# Altium PCB PCB_control_unit_2.PcbDoc (part 1 of 2)
Units mm, origin at the board's own origin, x right, y up, seen from the top; angles counter-clockwise.
Board outline 61.5 x 45 mm, 4 copper layers (Top Layer, INT1, INT2, Bottom Layer), stack 1.422 mm thick; 111 components, 75 nets, 374 pads, 137 vias.
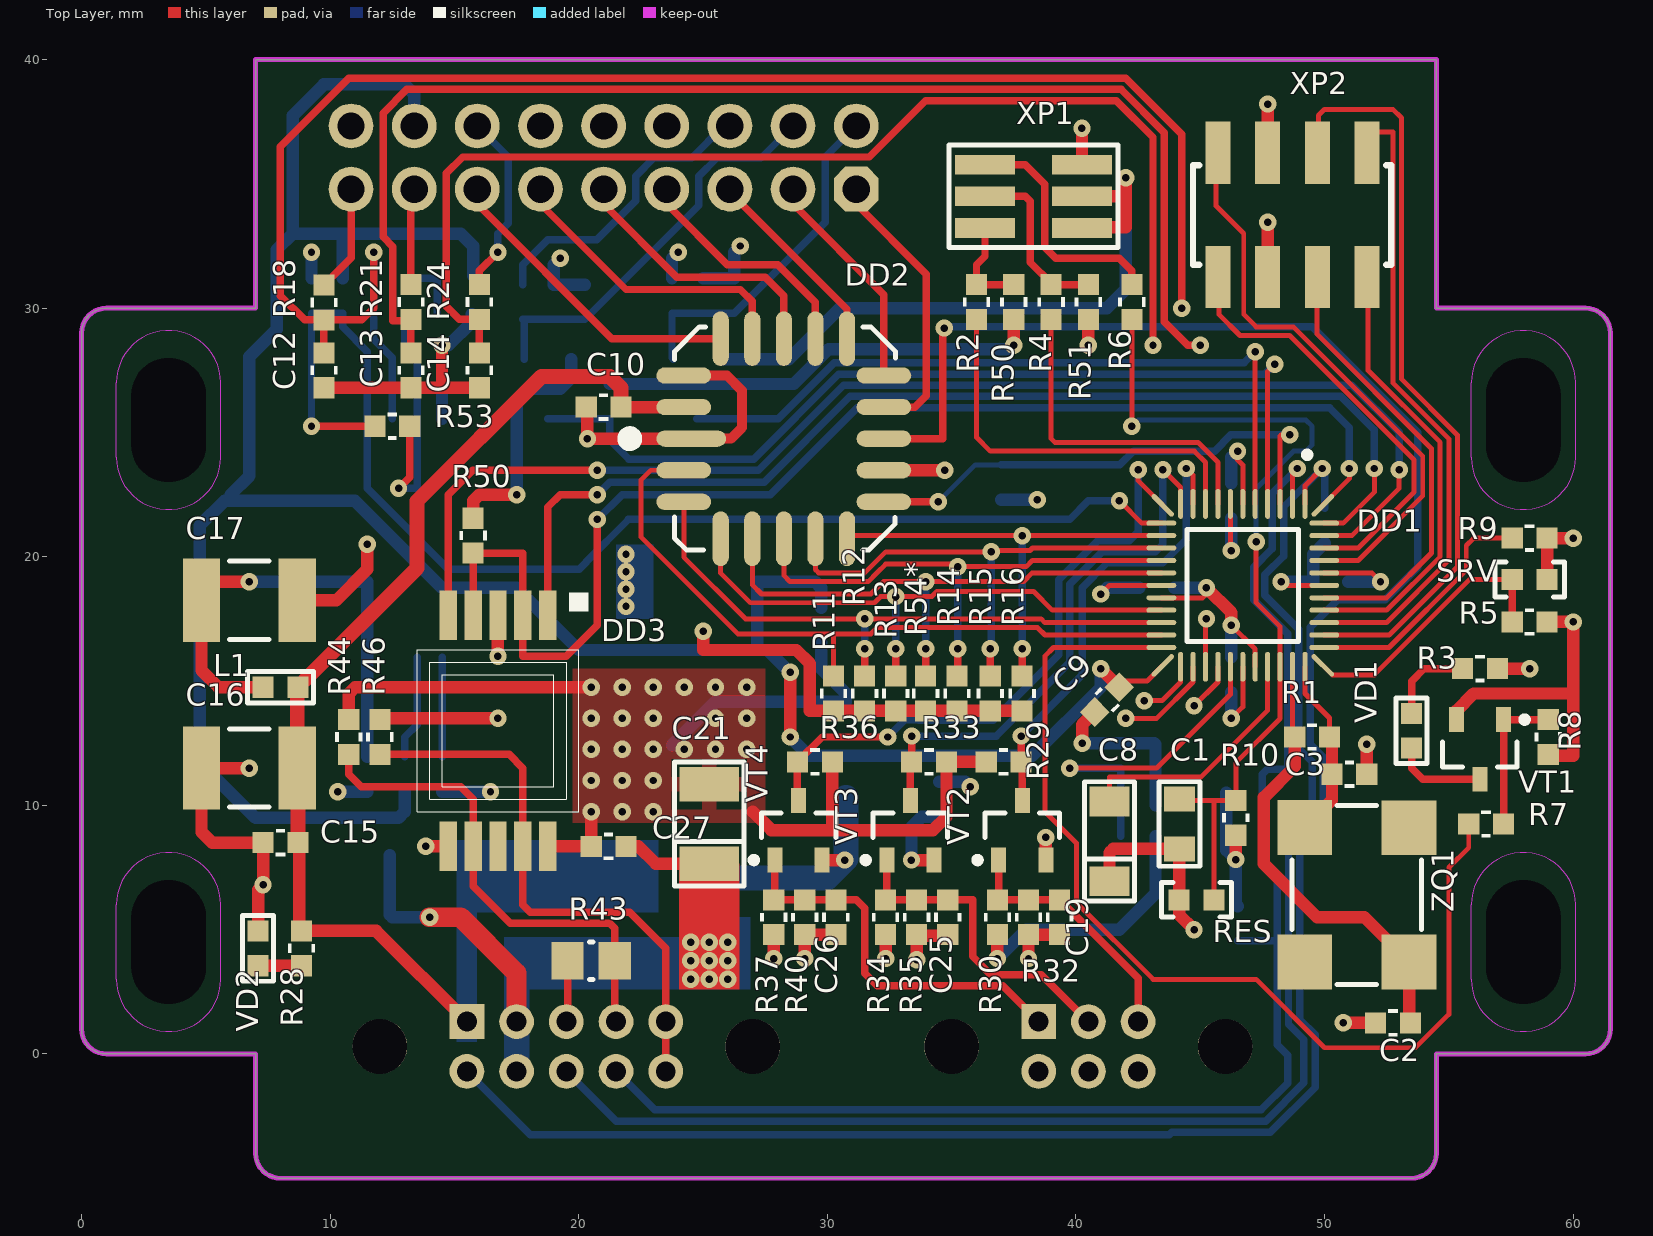
[diagram p0: Top Layer view]
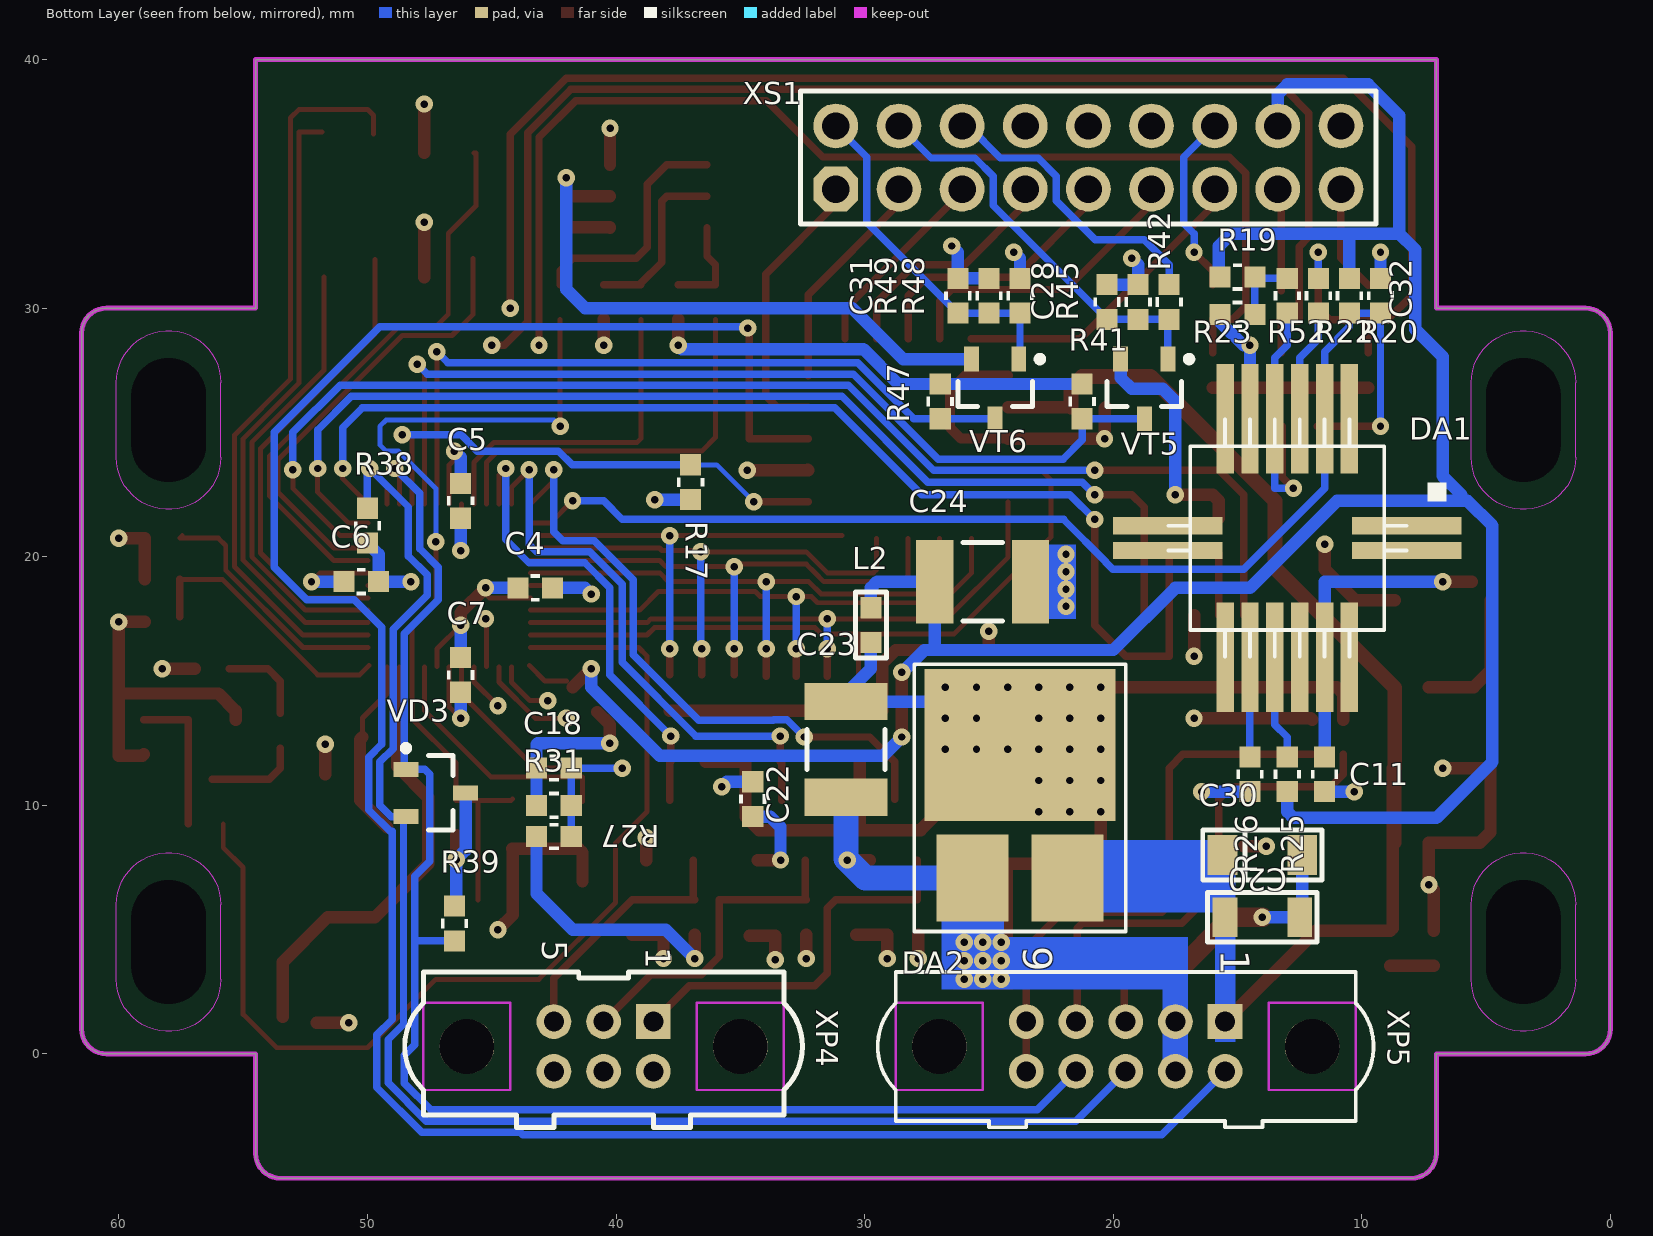
[diagram p1: Bottom Layer view, seen from below]
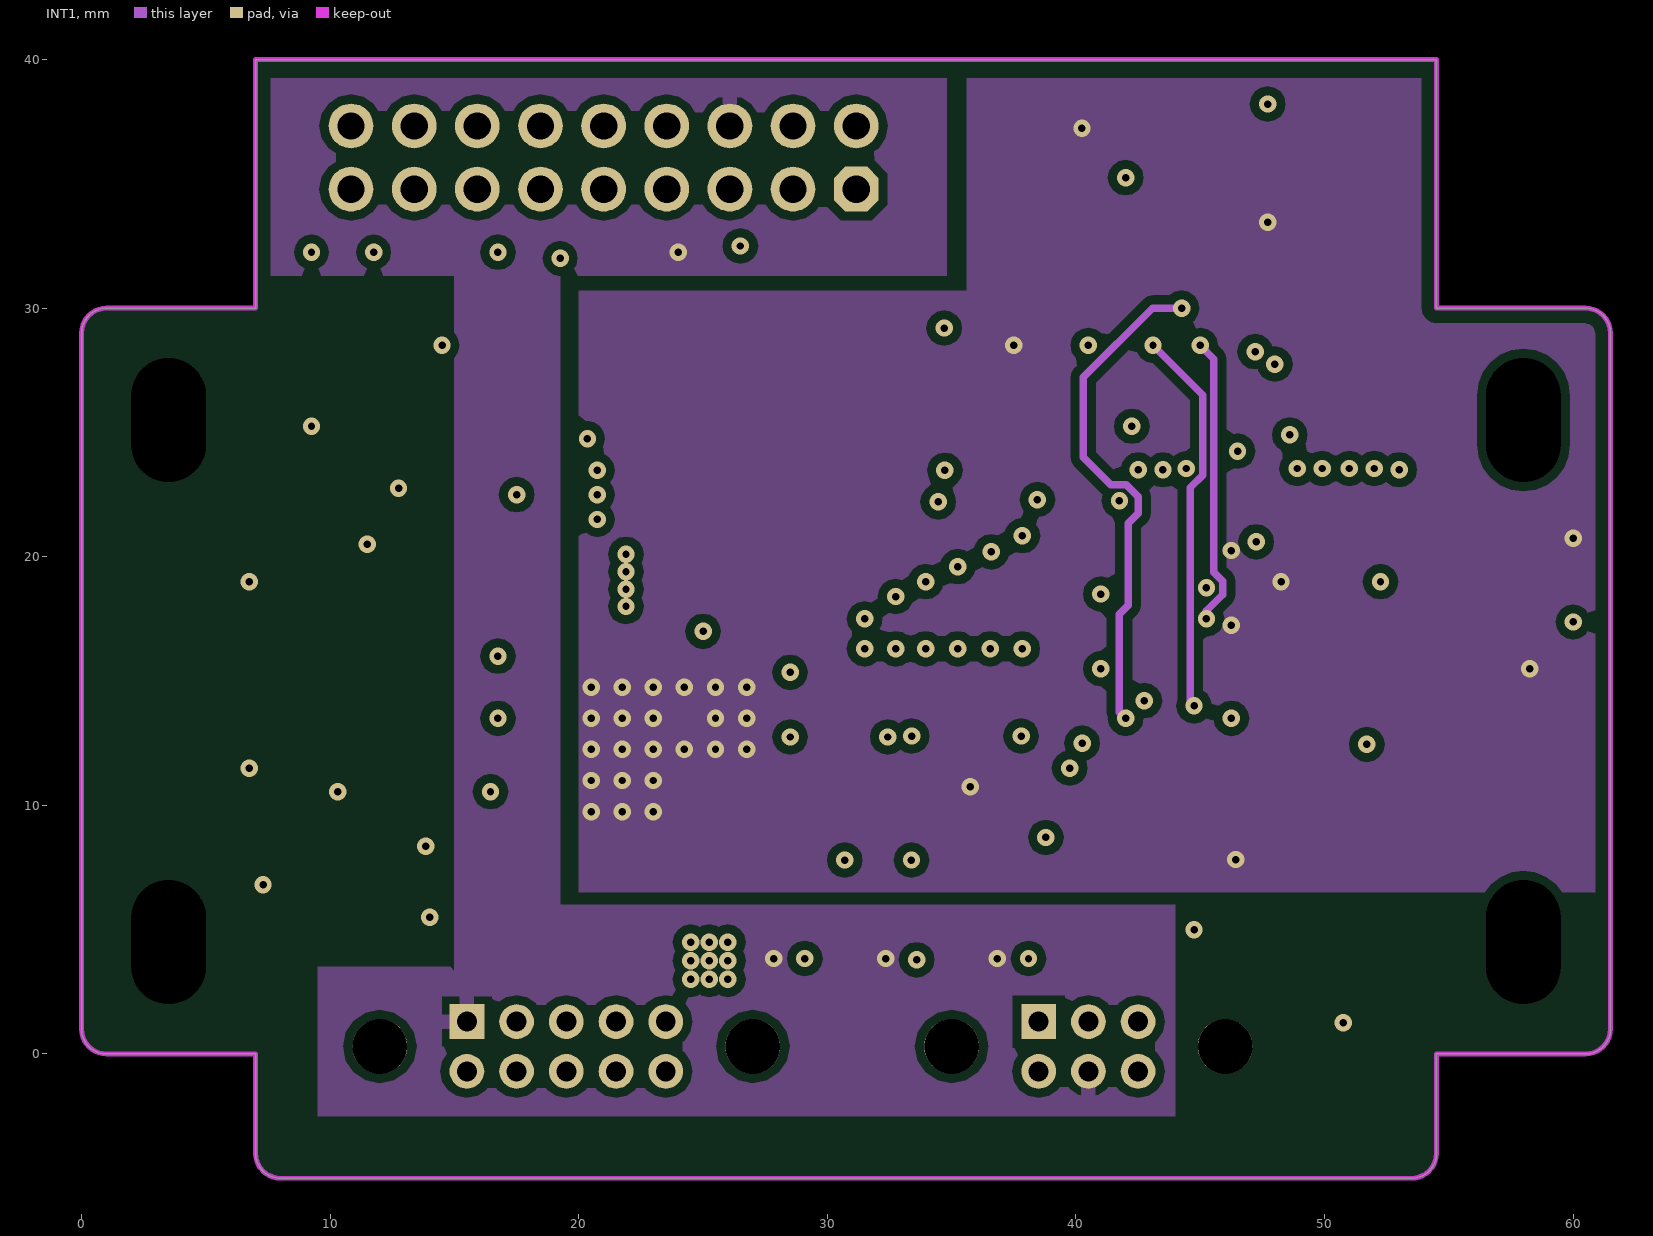
[diagram p2: INT1]
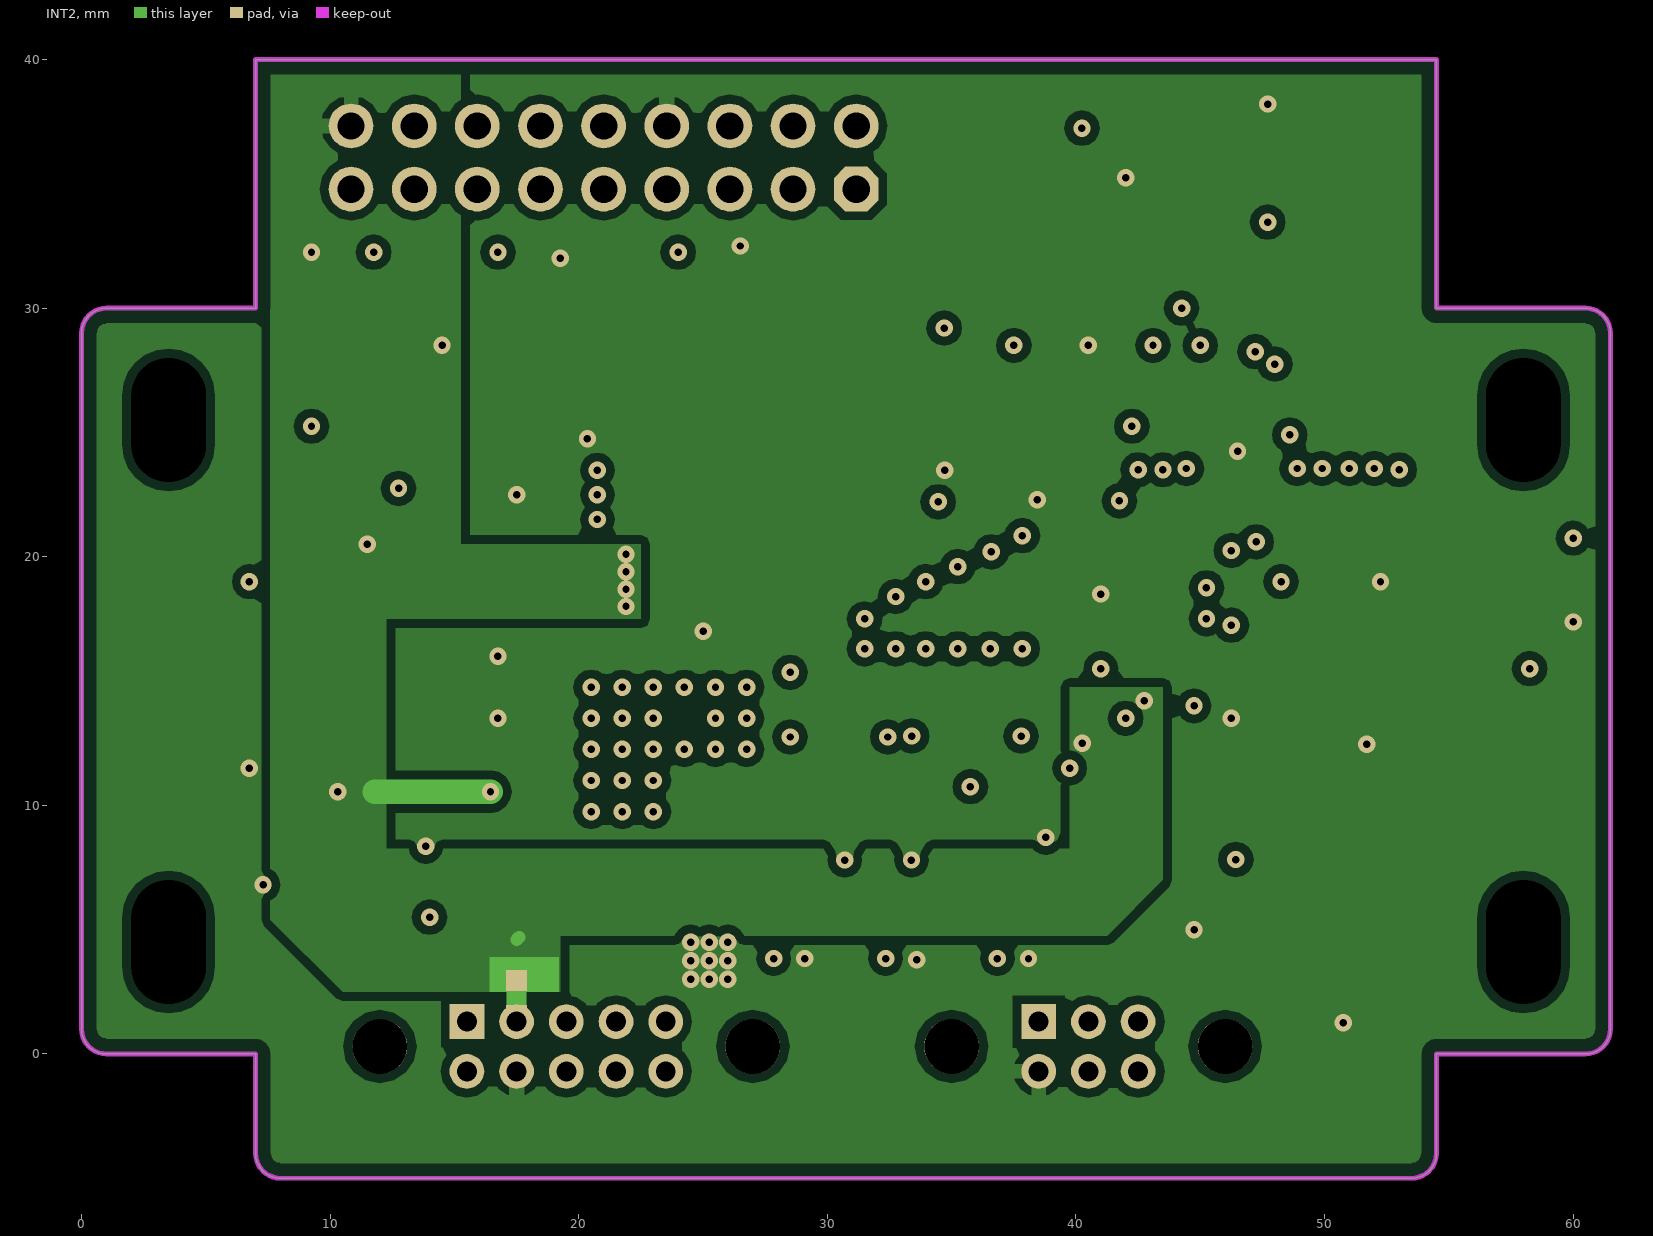
[diagram p3: INT2]
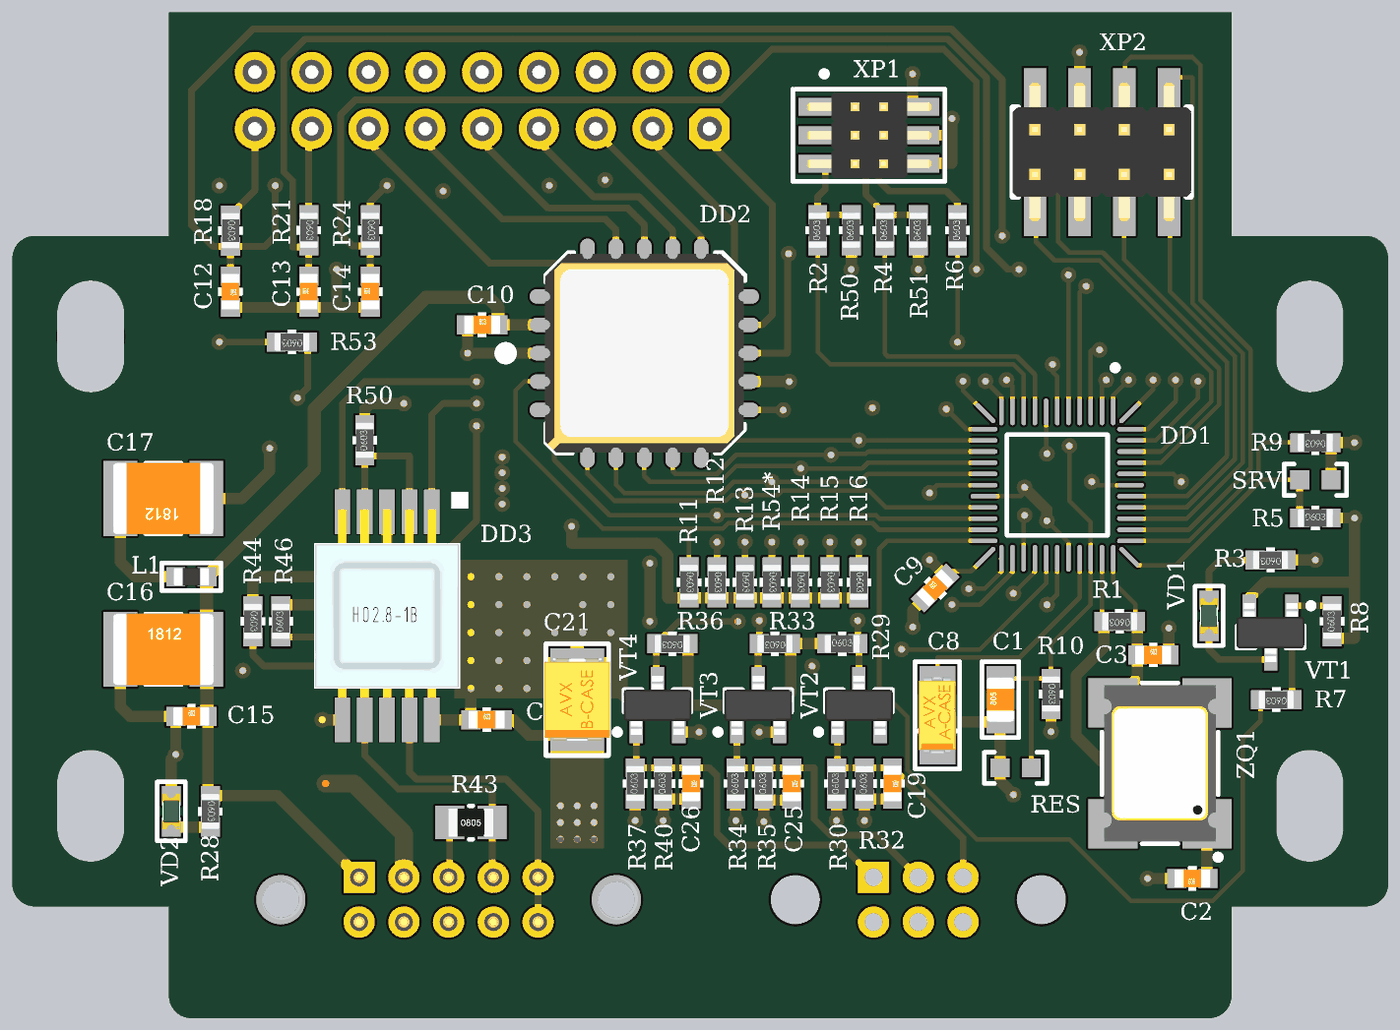
[diagram p5: 3D render of the assembled board from above, using the file's embedded part models]
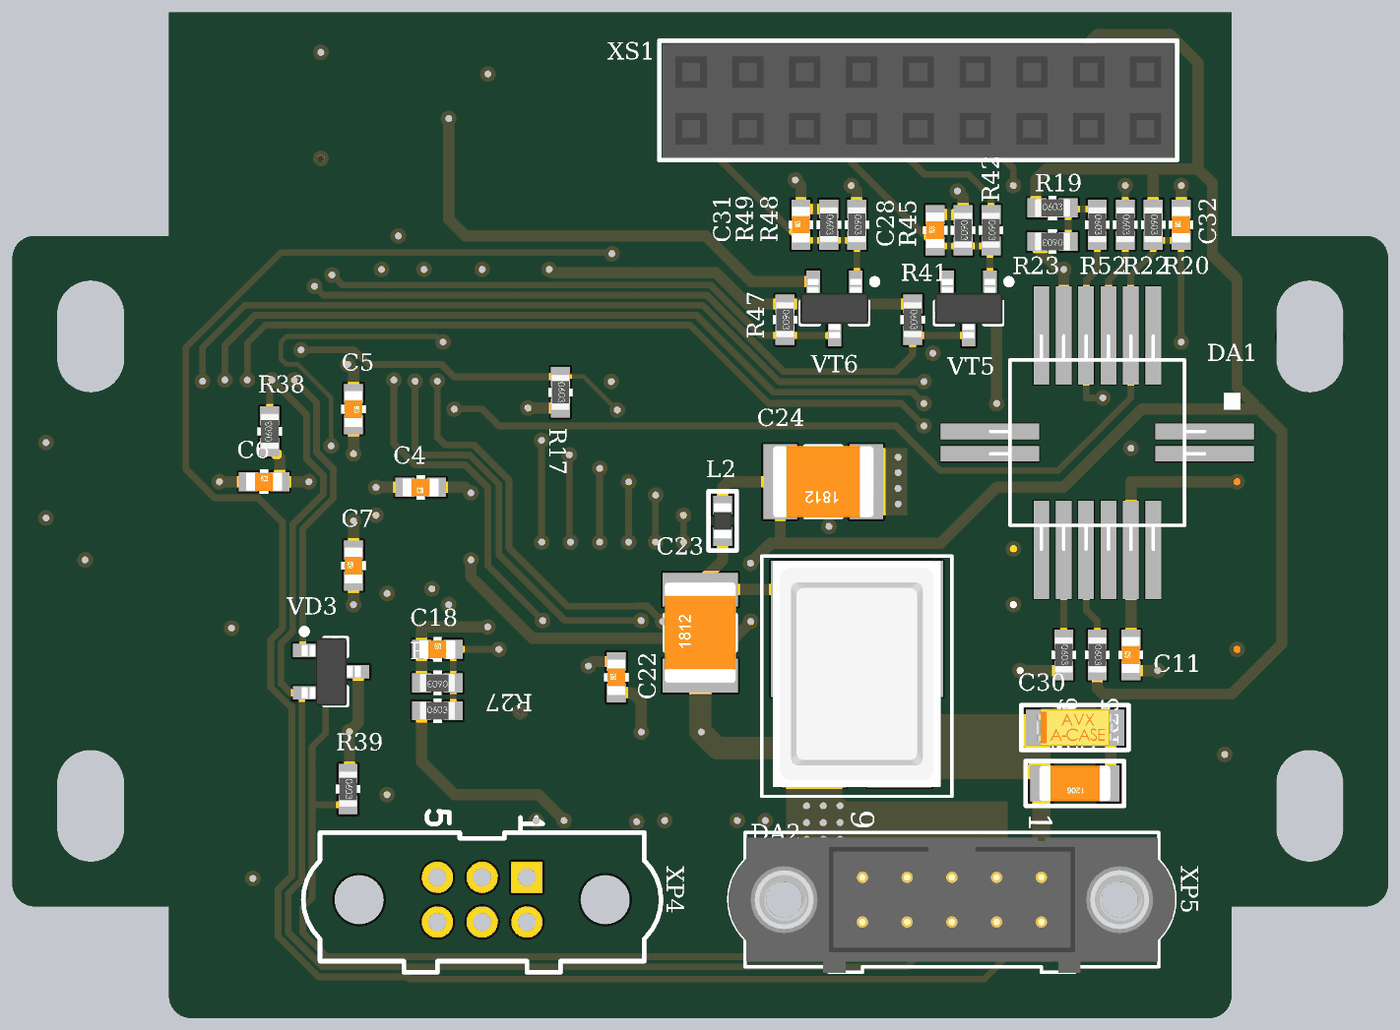
[diagram p6: 3D render of the assembled board from below, using the file's embedded part models]

## Layer stack, top to bottom
Top Solder: solder mask 0.0102, Solder Resist, Dk 3.5
Top Layer: signal copper 0.018
PREPREG1: prepreg 0.32, 2116+7628, Dk 4.2
INT1: signal copper 0.018
CORE1: core 0.71, FR-4, Dk 4.2
INT2: signal copper 0.018
PREPREG2: prepreg 0.32, 2116+7628, Dk 4.2
Bottom Layer: signal copper 0.018
Bottom Solder: solder mask 0.0102, Solder Resist, Dk 3.5

## Board outline
7,-4 7,0 1,0 cw(c1,1) 0,1 0,29 cw(c1,29) 1,30 7,30 7,40 54.5,40 54.5,30 60.5,30 cw(c60.5,29) 61.5,29 61.5,1 cw(c60.5,1) 60.5,0 54.5,0 54.5,-4 cw(c53.5,-4) 53.5,-5 8,-5 cw(c8,-4)

## Design rules (kind name [scope] priority, off if disabled: settings)
Clearance KeepOutLayer [OnLayer('Keep-Out Layer')] p1: gap=0.5 ignorepadtopadclearanceinfootprint=FALSE except(0: Arc-Hole Track-Hole SMDPad-Hole THPad-Hole Via-Hole Fill-Hole Poly-Hole Region-Hole Text-Hole)
Clearance Clearance_0.125 [InComponent('DD1') vs InComponent('DD1')] p2: gap=0.15 ignorepadtopadclearanceinfootprint=FALSE except(0: Arc-Hole Track-Hole SMDPad-Hole THPad-Hole Via-Hole Fill-Hole Poly-Hole Region-Hole Text-Hole; 0.125: SMDPad-SMDPad) // Зазор между падами процессора;
Clearance Clearance_Polygon [InPolygon] p3: gap=0.35 ignorepadtopadclearanceinfootprint=FALSE except(0: Arc-Hole Track-Hole SMDPad-Hole THPad-Hole Via-Hole Fill-Hole Poly-Hole Region-Hole Text-Hole)
Clearance Clearance_MultiLayerPad [OnLayer('Multi-Layer') and IsPad] p4: gap=0.2 ignorepadtopadclearanceinfootprint=FALSE except(0: Arc-Hole Track-Hole SMDPad-Hole THPad-Hole Via-Hole Fill-Hole Poly-Hole Region-Hole Text-Hole)
Clearance [All] p5: gap=0.15 ignorepadtopadclearanceinfootprint=FALSE except(0: Arc-Hole Track-Hole SMDPad-Hole THPad-Hole Via-Hole Fill-Hole Poly-Hole Region-Hole Text-Hole)
ComponentClearance [All] p1 off: gap=0.254 collisioncheckmode=3 verticalgap=0.254 showdistances=FALSE
DiffPairsRouting [All] p1: maxlimit=0.254 minlimit=0.15 mostfreqgap=0.254 toplayer_minwidth=0.15 toplayer_maxwidth=0.381 toplayer_prefwidth=0.381 midlayer1_minwidth=0.15 midlayer1_maxwidth=0.381 midlayer1_prefwidth=0.381 midlayer2_minwidth=0.15 midlayer2_maxwidth=0.381 midlayer2_prefwidth=0.381 bottomlayer_minwidth=0.15 bottomlayer_maxwidth=0.381 bottomlayer_prefwidth=0.381 maxuncoupledlength=12.7
Height [All] p1: minheight=0 maxheight=60 prefheight=12.7
HoleSize [All] p1: absolutevalues=TRUE maxlimit=5 minlimit=0.3 maxpercent=80.000 minpercent=20.000
HoleToHoleClearance [All] p1: gap=0.2 allowstackedmicrovias=TRUE
MinimumAnnularRing MinimumAnnularRing_1 [All] p1: minimumring=0.2
MinimumSolderMaskSliver MinimumSolderMaskSliver_DD1 [InComponent('DD1')] p1: minsoldermaskwidth=0.01 // пады микросхемы DD1 процессор
MinimumSolderMaskSliver [All] p2: minsoldermaskwidth=0.15
PlaneClearance [All] p1: clearance=0.5
PlaneConnect [All] p1: planeconnectstyle=Relief reliefexpansion=0.5 reliefentries=4 reliefconductorwidth=0.3 reliefairgap=0.2
PolygonConnect PolygonConnect_PowerPAD [All vs InPadClass('PowerPAD')] p1: connectstyle=Direct reliefconductorwidth=1 reliefentries=4 polygonreliefangle="90 Angle" airgapwidth=0.3
PolygonConnect PolygonConnect_NetTie [IsNetTieComponent] p2: connectstyle=Direct reliefconductorwidth=0.4 reliefentries=4 polygonreliefangle="90 Angle" airgapwidth=0.2
PolygonConnect PolygonConnect_3.3V(D) [InNamedPolygon('NONET_L01_P001') vs InNet('+3.3V(D)')] p3: connectstyle=Direct reliefconductorwidth=0.4 reliefentries=4 polygonreliefangle="90 Angle" airgapwidth=0.2
PolygonConnect PolygonConnect_Via [IsVia] p4: connectstyle=Direct reliefconductorwidth=0.254 reliefentries=4 polygonreliefangle="90 Angle" airgapwidth=0.254
PolygonConnect [All] p5: connectstyle=Relief reliefconductorwidth=0.6 reliefentries=4 polygonreliefangle="90 Angle" airgapwidth=0.3
RoomDefinition Sheet3 [InComponentClass('Sheet3')] p1: confinementstyle=ConfineIn formatcopy=TRUE lockcomponents=FALSE outline -124.2,-62.411 -73.4,-62.411 -73.4,-37.011 -124.2,-37.011
RoomDefinition Sheet2 [InComponentClass('Sheet2')] p2: confinementstyle=ConfineIn formatcopy=TRUE lockcomponents=FALSE outline -124.2,-62.411 -73.4,-62.411 -73.4,-37.011 -124.2,-37.011
RoomDefinition Sheet1 [InComponentClass('Sheet1')] p3: confinementstyle=ConfineIn formatcopy=TRUE lockcomponents=FALSE outline -124.2,-62.411 -73.4,-62.411 -73.4,-37.011 -124.2,-37.011
RoutingVias [All] p1: holewidth=0.3 width=0.7 viastyle="Through Hole" minholewidth=0.3 minwidth=0.7 maxholewidth=0.5 maxwidth=1.2
SilkToSilkClearance [All] p1: silktosilkclearance=0
SilkToSolderMaskClearance [IsPad] p1: minsilkscreentomaskgap=0.05 clearancetoexposedcopper=TRUE
SolderMaskExpansion [All] p1: expansion=0.1
Width Width_1 [DD1] p1: maxlimit=0.2 minlimit=0.2 preferedwidth=0.2
Width [All] p2: maxlimit=10 minlimit=0.2 preferedwidth=0.3
20 further rules are at their usual default settings.

## Classes and differential pairs
component class Sheet1: C1 C2 C3 C4 C5 C6 C7 C8 C9 DD1 R1 R2 R3 R4 R5 R6 R7 R8 R9 R10 R50 R51 RES SRV VD1 VT1 XP1 XP2 ZQ1
component class Sheet2: C10 C11 C12 C13 C14 C32 DA1 DD2 R11 R12 R13 R14 R15 R16 R17 R18 R19 R20 R21 R22 R23 R24 R25 R26 R52 R53 R54* XS1
component class Sheet3: C15 C16 C17 C18 C19 C20 C21 C22 C23 C24 C25 C26 C27 C28 C30 C31 DA2 DD3 L1 L2 R27 R28 R29 R30 R31 R32 R33 R34 R35 R36 R37 R38 R39 R40 R41 R42 R43 R44 R45 R46 R47 R48 R49 R50 VD2 VD3 VT2 VT3 VT4 VT5 VT6 XP4 XP5 ""

## Components (designator, comment, footprint, x,y, rotation, side; value= is the part's Value field where it differs from the comment)
C1 "Tantalum capacitor, 4.7мк, 10V, ±10%, 2Ohm, case A (3216), -55...+125°C" "CAP: TANTAL-A" 41.35,8.55 r90 top value=4.7мк
C2 "Ceramic capacitor, 10, МП0, ±5%, 50V, 0603, -55...+125°C" "CAP: 0603P" 52.75,1.25 r180 top value=10
C3 "Ceramic capacitor, 10, МП0, ±5%, 50V, 0603, -55...+125°C" "CAP: 0603P" 51,11.25 r0 top value=10
C4 "Ceramic capacitor, 0.1мк, H90, +80-20%, 10V, 0603, -55...+125°C" "CAP: 0603P" 43.25,18.75 r0 bottom value=0.1мк
C5 "Ceramic capacitor, 0.1мк, H90, +80-20%, 10V, 0603, -55...+125°C" "CAP: 0603P" 46.25,22.25 r270 bottom value=0.1мк
C6 "Ceramic capacitor, 0.1мк, H90, +80-20%, 10V, 0603, -55...+125°C" "CAP: 0603P" 50.25,19 r180 bottom value=0.1мк
C7 "Ceramic capacitor, 0.1мк, H90, +80-20%, 10V, 0603, -55...+125°C" "CAP: 0603P" 46.25,15.25 r90 bottom value=0.1мк
C8 "Ceramic capacitor, 0.22мк, H90, +80/-20%, 25V, 0805 (2012M), -55...+125°C" "CAP: 0805" 44.171,9.25 r90 top value=0.22мк
C9 "Ceramic capacitor, 0.1мк, H90, +80-20%, 10V, 0603, -55...+125°C" "CAP: 0603P" 41.25,14.25 r45 top value=0.1мк
C10 "Ceramic capacitor, 0.1мк, H90, +80-20%, 10V, 0603, -55...+125°C" "CAP: 0603P" 21,26.02 r0 top value=0.1мк
C11 "Ceramic capacitor, 0.1мк, H90, +80-20%, 10V, 0603, -55...+125°C" "CAP: 0603P" 11.5,11.25 r90 bottom value=0.1мк
C12 "Ceramic capacitor, 0.01мк, H20, ±20%, 50V, 0603, -55...+125°C" "CAP: 0603P" 9.75,27.5 r270 top value=0.01мк
C13 "Ceramic capacitor, 0.1мк, H90, +80-20%, 10V, 0603, -55...+125°C" "CAP: 0603P" 13.25,27.5 r90 top value=0.1мк
C14 "Ceramic capacitor, 0.1мк, H90, +80-20%, 10V, 0603, -55...+125°C" "CAP: 0603P" 16,27.5 r90 top value=0.1мк
C15 "Ceramic capacitor, 0.1мк, H90, +80-20%, 10V, 0603, -55...+125°C" "CAP: 0603P" 8,8.5 r0 top value=0.1мк
C16 "Ceramic capacitor, 4.7мк, H90, +80 -20%, 25V, 1812 (4532М) (4.5x3.2), -55...+125°C" "CAP: 1812" 6.75,11.5 r0 top value=4.7мк
C17 "Ceramic capacitor, 4.7мк, H90, +80 -20%, 25V, 1812 (4532М) (4.5x3.2), -55...+125°C" "CAP: 1812" 6.75,18.25 r180 top value=4.7мк
C18 "Ceramic capacitor, 0.1мк, H90, +80-20%, 10V, 0603, -55...+125°C" "CAP: 0603P" 42.5,11.5 r180 bottom value=0.1мк
C19 "Ceramic capacitor, 0.01мк, H20, ±20%, 50V, 0603, -55...+125°C" "CAP: 0603P" 39.342,5.5 r270 top value=0.01мк
C20 "Ceramic capacitor, 0.47мк, Н90, ±10%, 25V, 1206 (3216M)," "CAP: 1206" 14,5.5 r0 bottom value=0.47мк
C21 "Tantalum capacitor, 15мк, 10V, ±10%, , case B (3528), -55...+125°C" "CAP: TANTAL-B" 25.25,9.25 r90 top value=15мк
C22 "Ceramic capacitor, 0.1мк, H90, +80-20%, 10V, 0603, -55...+125°C" "CAP: 0603P" 34.5,10.25 r90 bottom value=0.1мк
C23 "Ceramic capacitor, 4.7мк, H90, +80 -20%, 25V, 1812 (4532М) (4.5x3.2), -55...+125°C" "CAP: 1812" 30.75,12.25 r90 bottom value=4.7мк
C24 "Ceramic capacitor, 4.7мк, H90, +80 -20%, 25V, 1812 (4532М) (4.5x3.2), -55...+125°C" "CAP: 1812" 25.25,19 r0 bottom value=4.7мк
C25 "Ceramic capacitor, 0.01мк, H20, ±20%, 50V, 0603, -55...+125°C" "CAP: 0603P" 34.842,5.5 r270 top value=0.01мк
C26 "Ceramic capacitor, 0.01мк, H20, ±20%, 50V, 0603, -55...+125°C" "CAP: 0603P" 30.342,5.5 r270 top value=0.01мк
C27 "Ceramic capacitor, 0.1мк, H90, +80-20%, 10V, 0603, -55...+125°C" "CAP: 0603P" 21.2,8.35 r0 top value=0.1мк
C28 "Ceramic capacitor, 0.01мк, H20, ±20%, 50V, 0603, -55...+125°C" "CAP: 0603P" 20.25,30.25 r90 bottom value=0.01мк
C30 "Tantalum capacitor, 4.7мк, 10V, ±10%, 2Ohm, case A (3216), -55...+125°C" "CAP: TANTAL-A" 14,8 r180 bottom value=4.7мк
C31 "Ceramic capacitor, 0.01мк, H20, ±20%, 50V, 0603, -55...+125°C" "CAP: 0603P" 26.25,30.5 r90 bottom value=0.01мк
C32 "Ceramic capacitor, 0.01мк, H20, ±20%, 50V, 0603, -55...+125°C" "CAP: 0603P" 9.25,30.5 r90 bottom value=0.01мк (schematic designator C32*)
DA1 "IC comparator, Open Drain, от ± 1,5В до ± 16,5В, -60...+125°C, Н04.16-1В" 16-Н04.16-1B 13,20.75 r270 bottom
DA2 "Linear voltage regulator, input 4.75...15V, 1.3V, output 3.3V, 0.8A, -40...+85°C, КТ-93-1" KT-93-1 23.75,10.425 r180 bottom
DD1 "Motor control microcontroller, 32-Bit, RISC, 100MHz, 64KB, 16KB, 3,3 В ± 10 %., -60...+85°C, 48-QLCC (МК 5162.48-1)" "48-QLCC (МК 5162.48-1) - SMALL PADS" 46.711,18.85 r270 top locked
DD2 "8 канальный буфер, 4.5..5.5V, -60...+125°C, 5121.20-A" "20-QLCC (5121.20-A)" 28.25,24.75 r180 top (schematic designator DD2*)
DD3 "5559ИН28У" Н02.8-1В 16.75,13 r270 top
L1 "Fixed inductor, 1мк, ±20%, 0603, 400mA, -55...+125°C" "IND: 0603" 8,14.75 r0 top value=1мк
L2 "Fixed inductor, 1мк, ±20%, 0603, 400mA, -55...+125°C" "IND: 0603" 29.75,17.25 r270 bottom value=1мк
NT1 "ValueManufacturerPartNumber" NetTie_0603 17.5,2.25 r90 top net-tie
R1 "Resistor film, 1М, ±5%, 0603, 0.1W, -55...+125°C" "RES: 0603P" 49.5,12.75 r180 top value=1М
R2 "Resistor film, 22, ±5%, 0603, 0.1W, -55...+125°C" "RES: 0603P" 36,30.25 r90 top value=22
R3 "Resistor film, 680, ±5%, 0603, 0.1W, -55...+125°C" "RES: 0603P" 56.25,15.5 r180 top value=680
R4 "Resistor film, 22, ±5%, 0603, 0.1W, -55...+125°C" "RES: 0603P" 39,30.25 r90 top value=22
R5 "Resistor film, 10k, ±5%, 0603, 0.1W, -55...+125°C" "RES: 0603P" 58.25,17.377 r0 top value=10k
R6 "Resistor film, 22, ±5%, 0603, 0.1W, -55...+125°C" "RES: 0603P" 42.25,30.25 r90 top value=22
R7 "Resistor film, 10k, ±5%, 0603, 0.1W, -55...+125°C" "RES: 0603P" 56.5,9.25 r180 top value=10k
R8 "Resistor film, 10k, ±5%, 0603, 0.1W, -55...+125°C" "RES: 0603P" 59,12.75 r90 top value=10k
R9 "Resistor film, 10k, ±5%, 0603, 0.1W, -55...+125°C" "RES: 0603P" 58.25,20.75 r180 top value=10k
R10 "Resistor film, 100k, ±5%, 0603, 0.1W, -55...+125°C" "RES: 0603P" 46.429,9.5 r270 top value=100k
R11 "Resistor film, 10k, ±5%, 0603, 0.1W, -55...+125°C" "RES: 0603P" 30.25,14.5 r270 top value=10k
R12 "Resistor film, 10k, ±5%, 0603, 0.1W, -55...+125°C" "RES: 0603P" 31.5,14.5 r270 top value=10k
R13 "Resistor film, 10k, ±5%, 0603, 0.1W, -55...+125°C" "RES: 0603P" 32.75,14.5 r270 top value=10k
R14 "Resistor film, 10k, ±5%, 0603, 0.1W, -55...+125°C" "RES: 0603P" 35.217,14.5 r270 top value=10k
R15 "Resistor film, 10k, ±5%, 0603, 0.1W, -55...+125°C" "RES: 0603P" 36.551,14.5 r270 top value=10k
R16 "Resistor film, 10k, ±5%, 0603, 0.1W, -55...+125°C" "RES: 0603P" 37.837,14.5 r270 top value=10k
R17 "Resistor film, 10k, ±5%, 0603, 0.1W, -55...+125°C" "RES: 0603P" 37,23 r270 bottom value=10k
R18 "Resistor film, 100, ±5%, 0603, 0.1W, -55...+125°C" "RES: 0603P" 9.75,30.23 r270 top value=100
R19 "Resistor film, 1k, ±1%, 0603, 0.1W, -55...+125°C" "RES: 0603P" 15,31.25 r180 bottom value=1k
R20 "Resistor film, 10k, ±5%, 0603, 0.1W, -55...+125°C" "RES: 0603P" 10.5,30.5 r270 bottom value=10k
R21 "Resistor film, 100, ±5%, 0603, 0.1W, -55...+125°C" "RES: 0603P" 13.25,30.25 r270 top value=100
R22 "Resistor film, 10k, ±5%, 0603, 0.1W, -55...+125°C" "RES: 0603P" 11.75,30.5 r270 bottom value=10k
R23 "Resistor film, 4.02k, ±1%, 0603, 0.1W, -55...+125°C" "RES: 0603P" 15,29.75 r0 bottom value=4.02k (schematic designator R23*)
R24 "Resistor film, 100, ±5%, 0603, 0.1W, -55...+125°C" "RES: 0603P" 16,30.25 r270 top value=100
R25 "Resistor film, 10k, ±5%, 0603, 0.1W, -55...+125°C" "RES: 0603P" 13,11.25 r270 bottom value=10k
R26 "Resistor film, 10k, ±5%, 0603, 0.1W, -55...+125°C" "RES: 0603P" 14.5,11.25 r270 bottom value=10k
R27 "Resistor film, 1k, ±1%, 0603, 0.1W, -55...+125°C" "RES: 0603P" 42.5,8.75 r180 bottom value=1k
R28 "Resistor film, 680, ±5%, 0603, 0.1W, -55...+125°C" "RES: 0603P" 8.85,4.25 r270 top value=680
R29 "Resistor film, 10k, ±5%, 0603, 0.1W, -55...+125°C" "RES: 0603P" 37.092,11.75 r0 top value=10k
R30 "Resistor film, 1k, ±1%, 0603, 0.1W, -55...+125°C" "RES: 0603P" 36.842,5.5 r90 top value=1k
R31 "Resistor film, 1k, ±1%, 0603, 0.1W, -55...+125°C" "RES: 0603P" 42.5,10 r0 bottom value=1k
R32 "Resistor film, 10k, ±5%, 0603, 0.1W, -55...+125°C" "RES: 0603P" 38.092,5.5 r90 top value=10k
R33 "Resistor film, 10k, ±5%, 0603, 0.1W, -55...+125°C" "RES: 0603P" 34.092,11.75 r180 top value=10k
R34 "Resistor film, 1k, ±1%, 0603, 0.1W, -55...+125°C" "RES: 0603P" 32.342,5.5 r90 top value=1k
R35 "Resistor film, 10k, ±5%, 0603, 0.1W, -55...+125°C" "RES: 0603P" 33.592,5.5 r90 top value=10k
R36 "Resistor film, 10k, ±5%, 0603, 0.1W, -55...+125°C" "RES: 0603P" 29.5,11.75 r180 top value=10k
R37 "Resistor film, 1k, ±1%, 0603, 0.1W, -55...+125°C" "RES: 0603P" 27.842,5.5 r90 top value=1k
R38 "Resistor film, 10k, ±5%, 0603, 0.1W, -55...+125°C" "RES: 0603P" 50,21.25 r90 bottom value=10k
R39 "Resistor film, 10k, ±5%, 0603, 0.1W, -55...+125°C" "RES: 0603P" 46.5,5.25 r270 bottom value=10k
R40 "Resistor film, 10k, ±5%, 0603, 0.1W, -55...+125°C" "RES: 0603P" 29.092,5.5 r90 top value=10k
R41 "Resistor film, 10k, ±5%, 0603, 0.1W, -55...+125°C" "RES: 0603P" 21.25,26.25 r270 bottom value=10k
R42 "Resistor film, 1k, ±1%, 0603, 0.1W, -55...+125°C" "RES: 0603P" 17.75,30.25 r270 bottom value=1k
R43 "Resistor film, 120, ±5%, 0805, 0.125W, -55...+125°C" "RES: 0805P" 20.5,3.75 r0 top value=120
R44 "Resistor film, 1k, ±1%, 0603, 0.1W, -55...+125°C" "RES: 0603P" 10.75,12.75 r270 top value=1k
R45 "Resistor film, 10k, ±5%, 0603, 0.1W, -55...+125°C" "RES: 0603P" 19,30.25 r270 bottom value=10k
R46 "Resistor film, 1k, ±1%, 0603, 0.1W, -55...+125°C" "RES: 0603P" 12,12.75 r90 top value=1k
R47 "Resistor film, 10k, ±5%, 0603, 0.1W, -55...+125°C" "RES: 0603P" 26.961,26.25 r270 bottom value=10k
R48 "Resistor film, 1k, ±1%, 0603, 0.1W, -55...+125°C" "RES: 0603P" 23.75,30.5 r270 bottom value=1k
R49 "Resistor film, 10k, ±5%, 0603, 0.1W, -55...+125°C" "RES: 0603P" 25,30.5 r270 bottom value=10k
R50 "Resistor film, 10k, ±5%, 0603, 0.1W, -55...+125°C" "RES: 0603P" 15.75,20.85 r90 top value=10k
R50 "Resistor film, 10k, ±5%, 0603, 0.1W, -55...+125°C" "RES: 0603P" 37.5,30.25 r90 top value=10k (schematic designator R50*)
R51 "Resistor film, 10k, ±5%, 0603, 0.1W, -55...+125°C" "RES: 0603P" 40.5,30.25 r90 top value=10k (schematic designator R51*)
R52 "Resistor film, 10k, ±5%, 0603, 0.1W, -55...+125°C" "RES: 0603P" 13,30.5 r270 bottom value=10k (schematic designator R52*)
R53 "Resistor film, 100k, ±5%, 0603, 0.1W, -55...+125°C" "RES: 0603P" 12.5,25.25 r180 top value=100k (schematic designator R53*)
R54* "Resistor film, 10k, ±5%, 0603, 0.1W, -55...+125°C" "RES: 0603P" 33.953,14.5 r270 top value=10k
RES "ValueManufacturerPartNumber" "CON: JUMPER X1" 44.85,6.2 r0 top
SRV "ValueManufacturerPartNumber" "CON: JUMPER X1" 58.25,19.089 r180 top
VD1 "LED, 20mA max, 2.1V typ, 1608, -55...+150°C" "LED: 0603G" 53.5,13 r270 top
VD2 "LED, 20mA max, 2.1V typ, 1608, -55...+150°C" "LED: 0603G" 7.1,4.25 r90 top
VD3 "Diode array common anode, 50V, 200mA, 1.1V, , SOT-23," SOT23#1 47.25,10.5 r180 bottom
VT1 "NPN transistor, 30V, 100mA, , 300mW, 0.7V, 500, SOT-23 (КТ-46), -55...+125°C" SOT23#2 56.25,12.25 r270 top
VT2 "NPN transistor, 30V, 100mA, , 300mW, 0.7V, 500, SOT-23 (КТ-46), -55...+125°C" SOT23#2 37.842,9 r90 top
VT3 "NPN transistor, 30V, 100mA, , 300mW, 0.7V, 500, SOT-23 (КТ-46), -55...+125°C" SOT23#2 33.342,9 r90 top
VT4 "NPN transistor, 30V, 100mA, , 300mW, 0.7V, 500, SOT-23 (КТ-46), -55...+125°C" SOT23#2 28.842,9 r90 top
VT5 "NPN transistor, 30V, 100mA, , 300mW, 0.7V, 500, SOT-23 (КТ-46), -55...+125°C" SOT23#1 18.75,26.75 r270 bottom
VT6 "NPN transistor, 30V, 100mA, , 300mW, 0.7V, 500, SOT-23 (КТ-46), -55...+125°C" SOT23#1 24.75,26.75 r270 bottom
XP1 "Connector, 6pin, 1.27mm, 125VAC, 1A" "CON: PLLD-6-S" 38.292,34.5 r270 top
XP2 "СНП377" "CON: PLD2-8-S" 48.711,33.75 r180 top
XP4 "Вилка, 6pin, 2mm, 120VAC, 1.5A" "CON: M80-5000605" 40.5,0.3 r270 bottom locked
XP5 "Вилка, 10pin, 2mm, 100V, 1.5A" "CON: M80-5001005" 19.5,0.3 r270 bottom
XS1 "Connector, 18pin, 2.54mm, 500VAC, 3A" "CON: PBD-18" 10.84,37.33 r180 bottom locked
ZQ1 "Oscilator, 12MHz, CMOS, ±30ppm, case 5070, -40...+85°C" "OSC: 5070G" 49.2,3.7 r90 top

## Footprints (in the part's own frame and the unit in brackets; to place one, negate y for a bottom-side part, rotate by r counter-clockwise, add the part's x,y. Pads: shape width x height; smd on the part's side, far side on the other; paste and mask are expansions set on the pad)
16-Н04.16-1B [mm] "USSR"
  rect 0.7x4.4 smd mask+0.05: 1(-0.5,4.8) 8(-0.5,-4.8) 9(0.5,-4.8) 16(0.5,4.8)
  rect 4.4x0.7 smd mask+0.05: 2(-4.8,2.5) 3(-4.8,1.5) 4(-4.8,0.5) 5(-4.8,-0.5) 6(-4.8,-1.5) 7(-4.8,-2.5) 10(4.8,-2.5) 11(4.8,-1.5) 12(4.8,-0.5) 13(4.8,0.5) 14(4.8,1.5) 15(4.8,2.5)
  silkscreen extent -4.77,-4.77 4.77,6.4, body extent -7.84,-8 7.84,8, height 2.92
"20-QLCC (5121.20-A)" [mm] "LCC, 20-Pins, Body 8,89x8,89mmx2,55mm, Pitch 1,27mm, IPC Medium Density"
  oval 2.8x0.65 smd: 1(3.725,0)
  oval 2.2x0.65 smd: 2(4.025,1.27) 3(4.025,2.54) 9(-4.025,2.54) 10(-4.025,1.27) 11(-4.025,0) 12(-4.025,-1.27) 13(-4.025,-2.54) 19(4.025,-2.54) 20(4.025,-1.27)
  oval 0.65x2.2 smd: 4(2.54,4.025) 5(1.27,4.025) 6(0,4.025) 7(-1.27,4.025) 8(-2.54,4.025) 14(-2.54,-4.025) 15(-1.27,-4.025) 16(0,-4.025) 17(1.27,-4.025) 18(2.54,-4.025)
  silkscreen extent -4.5,-4.5 6.45,4.47, body extent -4.44,-4.45 4.45,4.44, height 2.12
"48-QLCC (МК 5162.48-1) - SMALL PADS" [mm] "QFN-cl-h-48-0.5-002 Тихонов Е.Н."
  oval 1.2x0.2 smd mask+0.1: 1(-3.275,2.5) 2(-3.275,2) 3(-3.275,1.5) 4(-3.275,1) 5(-3.275,0.5) 6(-3.275,0) 7(-3.275,-0.5) 8(-3.275,-1) 9(-3.275,-1.5) 10(-3.275,-2) 11(-3.275,-2.5) 25(3.275,-2.5) 26(3.275,-2) 27(3.275,-1.5) 28(3.275,-1) 29(3.275,-0.5) 30(3.275,0) 31(3.275,0.5) 32(3.275,1) 33(3.275,1.5) 34(3.275,2) 35(3.275,2.5)
  oval 0.2x1.2 smd rot 135 mask+0.1: 12(-3.22,-3.22) 36(3.22,3.22)
  oval 0.2x1.2 smd mask+0.1: 13(-2.5,-3.275) 14(-2,-3.275) 15(-1.5,-3.275) 16(-1,-3.275) 17(-0.5,-3.275) 18(0,-3.275) 19(0.5,-3.275) 20(1,-3.275) 21(1.5,-3.275) 22(2,-3.275) 23(2.5,-3.275) 37(2.5,3.275) 38(2,3.275) 39(1.5,3.275) 40(1,3.275) 41(0.5,3.275) 42(0,3.275) 43(-0.5,3.275) 44(-1,3.275) 45(-1.5,3.275) 46(-2,3.275) 47(-2.5,3.275)
  oval 0.2x1.2 smd rot 45 mask+0.1: 24(3.22,-3.22) 48(-3.22,3.22)
  silkscreen extent -5.37,-2.25 2.25,2.71, body extent -3,-3 3,3, height 1.61
"CAP: 0603P" [mm] "small var"
  rect 0.85x0.85 smd: 1(-0.7,0) 2(0.7,0)
  silkscreen extent -0.2,-0.55 0.2,0.55, body extent -0.8,-0.4 0.8,0.4, height 0.3
"CAP: 0805" [mm]
  rect 1x1.25 smd: 1(-1,0) 2(1,0)
  silkscreen extent -1.7,-0.82 1.7,0.82, body extent -1,-0.62 1,0.63, height 0.78
"CAP: 1206" [mm]
  rect 1x1.6 smd: 1(-1.5,0) 2(1.5,0)
  silkscreen extent -2.2,-1 2.2,1, body extent -1.6,-0.8 1.6,0.8, height 1
"CAP: 1812" [mm]
  rect 1.5x3.35 smd: 1(-1.925,0) 2(1.925,0)
  silkscreen extent -0.8,-1.58 0.8,1.58, body extent -2.25,-1.6 2.25,1.6, height 1.6
"CAP: TANTAL-A" [mm]
  rect 1.2x1.6 smd: 1(-1.6,0) 2(1.6,0)
  silkscreen extent -2.4,-1 2.4,1, body extent -1.7,-0.84 1.7,0.84, height 1.71
"CAP: TANTAL-B" [mm]
  rect 1.4x2.4 smd: 1(-1.6,0) 2(1.6,0)
  silkscreen extent -2.5,-1.4 2.5,1.4, body extent -1.85,-1.46 1.85,1.47, height 2.03
"CON: JUMPER X1" [mm]
  rect 0.85x0.85 smd: 1(-0.7,0) 2(0.7,0)
  silkscreen extent -1.4,-0.7 1.4,0.7
"CON: M80-5000605" [mm] "HR500"
  round 2.2 hole 2.2 unplated mask+0.1: 0(0,-5.5) 0(0,5.5)
  rect 1.4x1.4 hole 0.8: 1(-1,2)
  round 1.4 hole 0.8: 2(1,2) 3(-1,0) 4(1,0) 5(-1,-2) 6(1,-2)
  Top Layer keep-out lines w0.1: 1.75,7.25 1.75,3.75 -1.75,3.75 -1.75,7.25 1.75,7.25 ; 1.75,-3.75 1.75,-7.25 -1.75,-7.25 -1.75,-3.75 1.75,-3.75
  Bottom Layer pour cut-out: 2.2,-5.5 1.982,-4.545 1.372,-3.78 0.49,-3.355 -0.49,-3.355 -1.372,-3.78 -1.982,-4.545 -2.2,-5.5 -2.2,-5.5 -1.982,-6.455 -1.372,-7.22 -0.49,-7.645 0.49,-7.645 1.372,-7.22 1.982,-6.455 2.2,-5.5
  Bottom Layer pour cut-out: 2.2,5.5 1.982,6.455 1.372,7.22 0.49,7.645 -0.49,7.645 -1.372,7.22 -1.982,6.455 -2.2,5.5 -2.2,5.5 -1.982,4.545 -1.372,3.78 -0.49,3.355 0.49,3.355 1.372,3.78 1.982,4.545 2.2,5.5
  silkscreen extent -3,-8 3.25,8, body extent -2.78,-8 3.27,8, height 5.6
"CON: M80-5001005" [mm] "10 pin"
  round 2.2 hole 2.2 unplated: 0(0,-7.5) 0(0,7.5)
  rect 1.4x1.4 hole 0.8: 1(-1,4)
  round 1.4 hole 0.8: 2(1,4) 3(-1,2) 4(1,2) 5(-1,0) 6(1,0) 7(-1,-2) 8(1,-2) 9(-1,-4) 10(1,-4)
  Top Layer keep-out lines w0.1: 1.75,9.25 1.75,5.75 -1.75,5.75 -1.75,9.25 1.75,9.25 ; 1.75,-5.75 -1.75,-5.75 -1.75,-9.25 1.75,-9.25 1.75,-5.75
  Bottom Layer pour cut-out: 2.2,-7.5 1.982,-6.545 1.372,-5.78 0.49,-5.355 -0.49,-5.355 -1.372,-5.78 -1.982,-6.545 -2.2,-7.5 -2.2,-7.5 -1.982,-8.455 -1.372,-9.22 -0.49,-9.645 0.49,-9.645 1.372,-9.22 1.982,-8.455 2.2,-7.5
  Bottom Layer pour cut-out: 2.2,7.5 1.982,8.455 1.372,9.22 0.49,9.645 -0.49,9.645 -1.372,9.22 -1.982,8.455 -2.2,7.5 -2.2,7.5 -1.982,6.545 -1.372,5.78 -0.49,5.355 0.49,5.355 1.372,5.78 1.982,6.545 2.2,7.5
  silkscreen extent -3,-9.97 3.25,9.97, body extent -2.78,-10 3.27,10, height 5.6
"CON: PBD-18" [mm] "PBD-18"
  oct 1.8x1.8 hole 1.1: 1(-20.32,-2.54)
  round 1.8 hole 1.1: 2(-20.32,0) 3(-17.78,-2.54) 4(-17.78,0) 5(-15.24,-2.54) 6(-15.24,0) 7(-12.7,-2.54) 8(-12.7,0) 9(-10.16,-2.54) 10(-10.16,0) 11(-7.62,-2.54) 12(-7.62,0) 13(-5.08,-2.54) 14(-5.08,0) 15(-2.54,-2.54) 16(-2.54,0) 17(0,-2.54) 18(0,0)
  silkscreen extent -21.74,-3.95 1.42,1.41, body extent -21.59,-3.81 1.27,1.27, height 8.5
"CON: PLD2-8-S" [mm] "двухрядные штыри, шаг 2мм; SMD"
  rect 1x2.5 smd mask+0.1: 1(3,2.5) 2(3,-2.5) 3(1,2.5) 4(1,-2.5)
  rect 1x2.5 smd: 5(-1,2.5) 6(-1,-2.5) 7(-3,2.5) 8(-3,-2.5)
  silkscreen extent -3.97,-2 4,2, body extent -4,-3.1 4,3.1, height 6
"CON: PLLD-6-S" [mm] "smd 6 pin"
  rect 0.8x2.4 smd: 1(-1.27,-1.95) 2(-1.27,1.95) 3(0,-1.95) 4(0,1.95) 5(1.27,-1.95) 6(1.27,1.95)
  round 0.5 on Mech1: ""(-2.75,-2)
  round 0.5 on Top Overlay: ""(-2.75,-2)
  silkscreen extent -2.06,-3.4 2.06,3.4, body extent -1.9,-2.77 1.9,2.8, height 4.4
"IND: 0603" [mm]
  rect 0.85x0.85 smd: 1(-0.7,0) 2(0.7,0)
  silkscreen extent -1.33,-0.63 1.33,0.63, body extent -0.8,-0.4 0.8,0.4, height 0.8
KT-93-1 [mm]
  rect 7.7x6.1 smd mask+0.075: 1(0,2)
  rect 2.9x3.5 smd mask+0.075: 2(1.905,-3.35) 3(-1.905,-3.35)
  silkscreen extent -4.25,-5.5 4.25,5.25, body extent -3.75,-5.07 3.75,5.03, height 3
"LED: 0603G" [mm]
  rect 0.85x0.85 smd: 1(-0.7,0) 2(0.7,0)
  silkscreen extent -1.33,-0.63 1.33,0.63, body extent -0.8,-0.4 0.8,0.4, height 0.6
NetTie_0603 [mm]
  rect 0.85x0.85 on Mid2: 1(-0.7,0) 2(0.7,0)
  INT2 region: -1.1,-0.4 1.1,-0.4 1.1,0.4 -1.1,0.4
"OSC: 5070G" [mm]
  rect 2.2x2.2 smd: 1(0,-4.2) 2(5.4,-4.2) 3(5.41,0) 4(0,0)
  round 0.5 on Top Overlay: ""(-1.5,-4.7)
  silkscreen extent -0.9,-4.7 6.3,0.5, body extent -0.8,-4.6 6.2,0.4, height 1.51
"RES: 0603P" [mm] "small footprint"
  rect 0.85x0.85 smd: 1(-0.7,0) 2(0.7,0)
  silkscreen extent -0.2,-0.55 0.2,0.55, body extent -0.8,-0.4 0.8,0.4, height 0.44
"RES: 0805P" [mm] "small footprint"
  rect 1.3x1.5 smd: 1(-0.95,0) 2(0.95,0)
  Top Layer pour cut-out: -0.25,-0.75 -0.25,0.75 0.25,0.75 0.25,-0.75
  silkscreen extent -0.08,-0.75 0.08,0.75, body extent -1,-0.62 1,0.63, height 0.6
SOT23#1 [mm]
  rect 1x0.6 smd: 1(-1.2,0.95) 2(-1.2,-0.95) 3(1.2,0)
  round 0.5 on Mech2: ""(-0.9,1.1)
  silkscreen extent -1.33,-1.5 0.7,1.92, body extent -1.32,-1.52 1.32,1.52, height 1.12
SOT23#2 [mm]
  rect 1x0.6 smd: 1(-1.2,0.95) 2(-1.2,-0.95) 3(1.2,0)
  round 0.5 on Mech1: ""(-0.9,1.1)
  silkscreen extent -1.32,-1.5 0.7,1.92, body extent -1.32,-1.52 1.32,1.52, height 1.12
Н02.8-1В [mm] "USSR"
  rect 2x0.7 smd mask+0.05: 1(-4.65,2) 2(-4.65,1) 3(-4.65,-1) 4(-4.65,-2) 5(4.65,-2) 6(4.65,-1) 7(4.65,1) 8(4.65,2) 9(-4.65,0) 10(4.65,0)
  silkscreen extent -5.55,-3.25 3.25,3.63, body extent -4.75,-3.25 4.75,3.25, height 2.85